# Altium PCB ISS_LAB_PCB.PcbDoc (part 1 of 8) (continued)
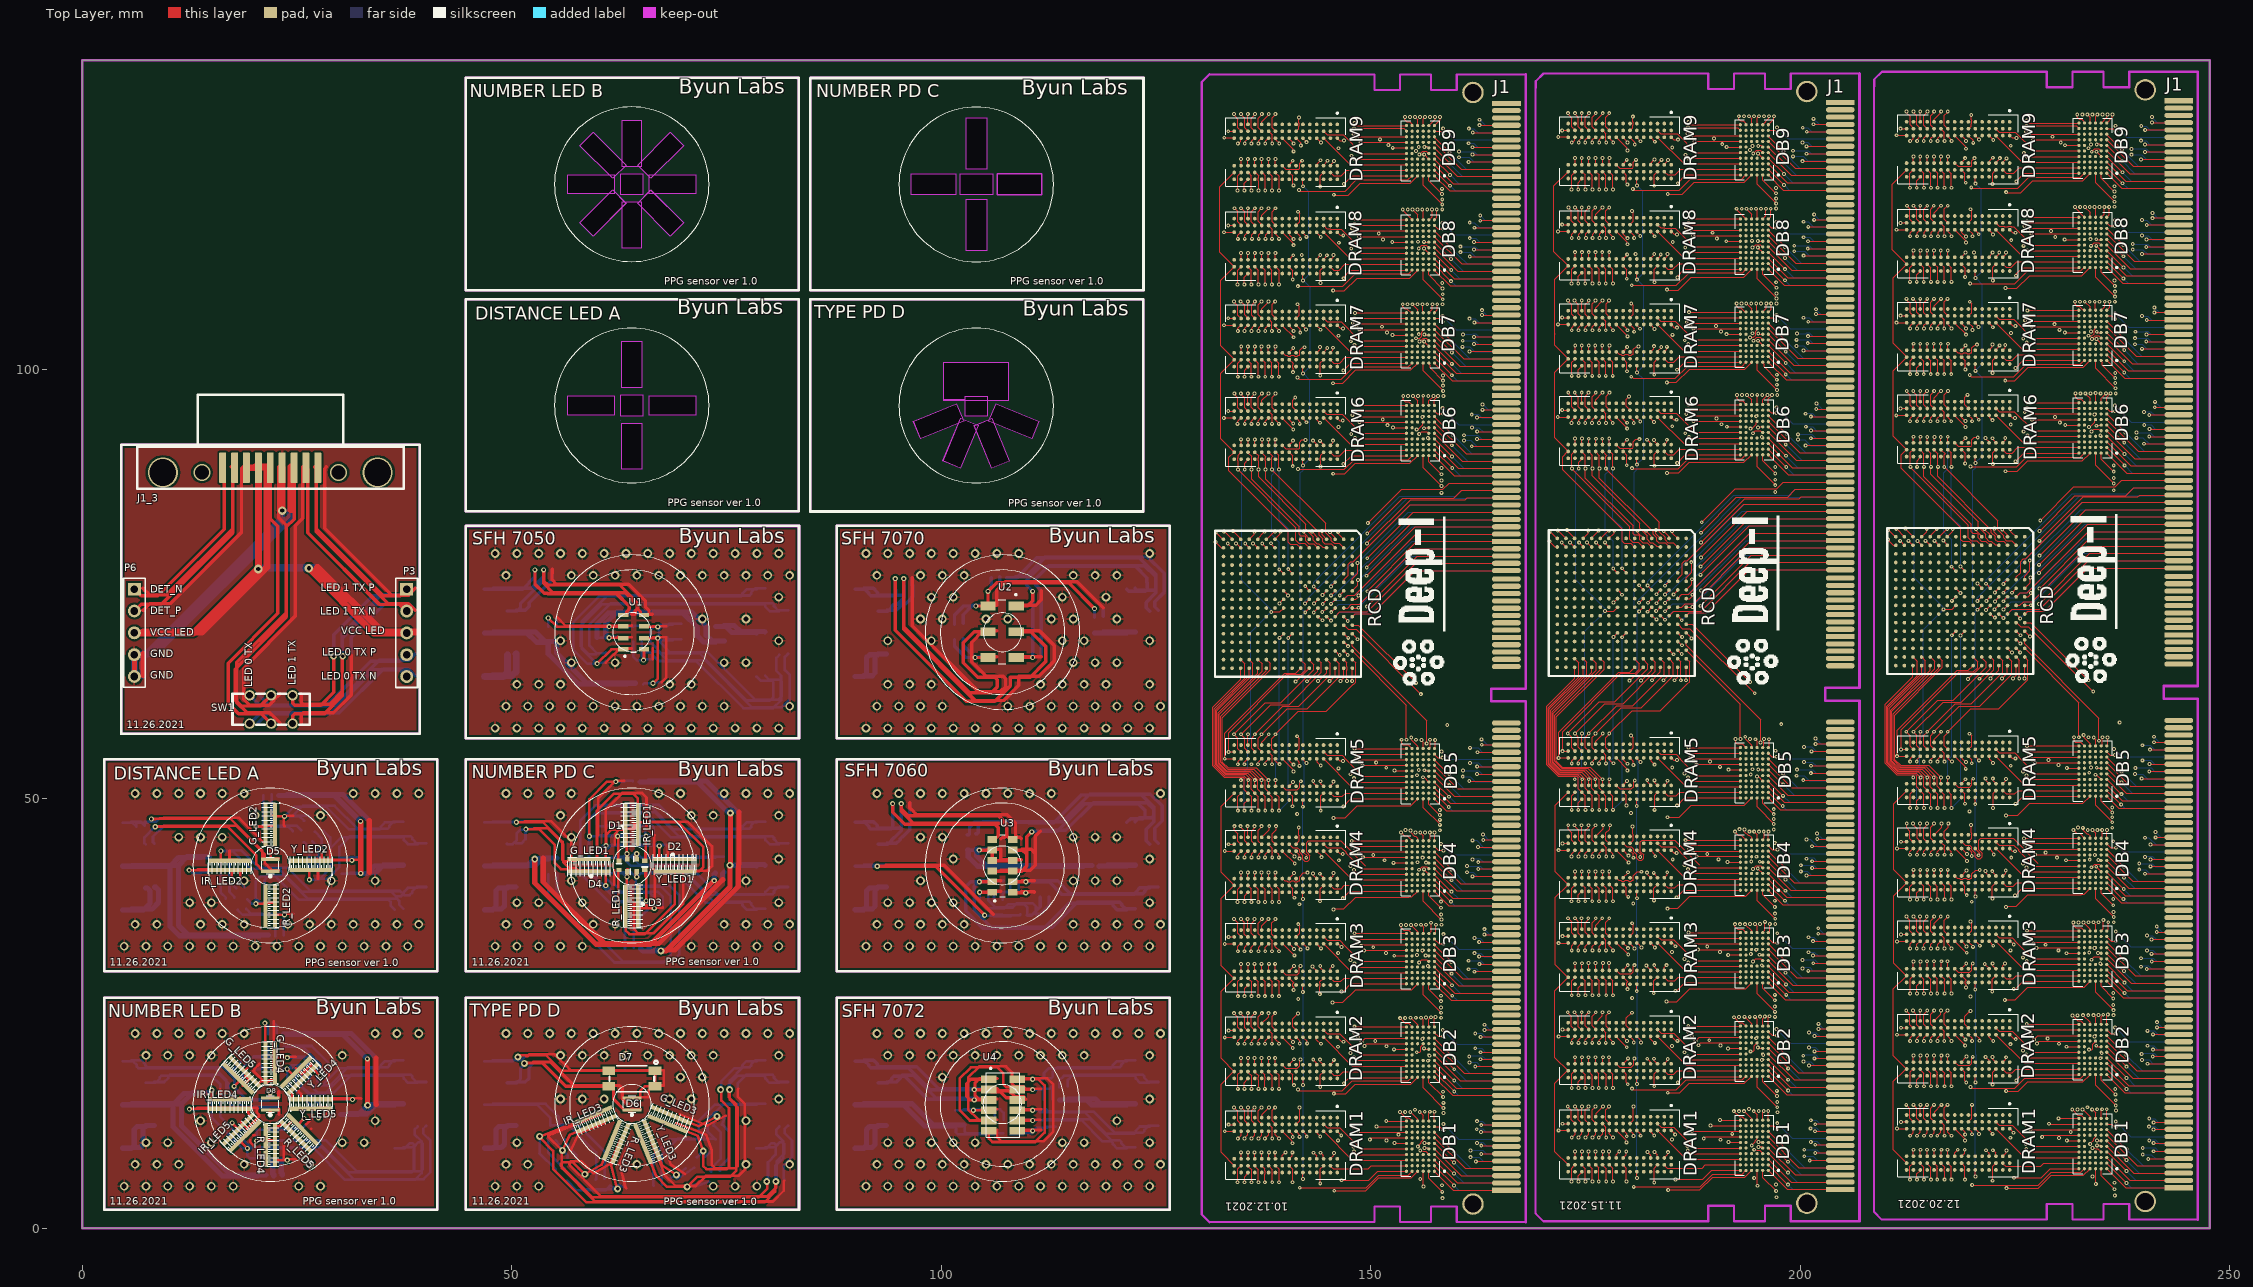
[diagram p0: Top Layer view]
## Footprints (in the part's own frame and the unit in brackets; to place one, negate y for a bottom-side part, rotate by r counter-clockwise, add the part's x,y. Pads: shape width x height; smd on the part's side, far side on the other; paste and mask are expansions set on the pad) (continued)
  silkscreen extent -1,-16 16,1, body extent -1.01,-16 15.99,1, height 1.7
DPDT_SSSS222700 [mm]
  round 1.2 hole 0.8 mask+0.07: 1(-2.5,1.65) 2(0,1.65) 3(2.5,1.65) 4(-2.5,-1.65) 5(0,-1.65) 6(2.5,-1.65)
  round 1 hole 0.8 mask+0.07: 1(-2.5,1.65) 1(-2.5,1.65)
  silkscreen extent -4.5,-1.78 4.5,1.83, body extent -4.5,-1.77 4.5,1.83, height 5.21
DRAM_96BGA [mm]
  round 0.43 smd: A1(-3.2,6) A2(-2.4,6) A3(-1.6,6) A7(1.6,6) A8(2.4,6) A9(3.2,6) B1(-3.2,5.2) B2(-2.4,5.2) B3(-1.6,5.2) B7(1.6,5.2) B8(2.4,5.2) B9(3.2,5.2) C1(-3.2,4.4) C2(-2.4,4.4) C3(-1.6,4.4) C7(1.6,4.4) C8(2.4,4.4) C9(3.2,4.4) D1(-3.2,3.6) D2(-2.4,3.6) D3(-1.6,3.6) D7(1.6,3.6) D8(2.4,3.6) D9(3.2,3.6) E1(-3.2,2.8) E2(-2.4,2.8) E3(-1.6,2.8) E7(1.6,2.8) E8(2.4,2.8) E9(3.2,2.8) F1(-3.2,2) F2(-2.4,2) F3(-1.6,2) F7(1.6,2) F8(2.4,2) F9(3.2,2) G1(-3.2,1.2) G2(-2.4,1.2) G3(-1.6,1.2) G7(1.6,1.2) G8(2.4,1.2) G9(3.2,1.2) H1(-3.2,0.4) H2(-2.4,0.4) H3(-1.6,0.4) H7(1.6,0.4) H8(2.4,0.4) H9(3.2,0.4) J1(-3.2,-0.4) J2(-2.4,-0.4) J3(-1.6,-0.4) J7(1.6,-0.4) J8(2.4,-0.4) J9(3.2,-0.4) K1(-3.2,-1.2) K2(-2.4,-1.2) K3(-1.6,-1.2) K7(1.6,-1.2) K8(2.4,-1.2) K9(3.2,-1.2) L1(-3.2,-2) L2(-2.4,-2) L3(-1.6,-2) L7(1.6,-2) L8(2.4,-2) L9(3.2,-2) M1(-3.2,-2.8) M2(-2.4,-2.8) M3(-1.6,-2.8) M7(1.6,-2.8) M8(2.4,-2.8) M9(3.2,-2.8) N1(-3.2,-3.6) N2(-2.4,-3.6) N3(-1.6,-3.6) N7(1.6,-3.6) N8(2.4,-3.6) N9(3.2,-3.6) P1(-3.2,-4.4) P2(-2.4,-4.4) P3(-1.6,-4.4) P7(1.6,-4.4) P8(2.4,-4.4) P9(3.2,-4.4) R1(-3.2,-5.2) R2(-2.4,-5.2) R3(-1.6,-5.2) R7(1.6,-5.2) R8(2.4,-5.2) R9(3.2,-5.2) T1(-3.2,-6) T2(-2.4,-6) T3(-1.6,-6) T7(1.6,-6) T8(2.4,-6) T9(3.2,-6)
  silkscreen extent -4.6,-7 4,7, body extent -4,-6.99 4,7.01, height 1.15
"Edge Connector" [mm]
  rect 0.6x3.35 smd: 1(0,0) 19(7.65,0) 39(16.15,0) 59(24.65,0) 79(33.15,0) 99(41.65,0) 119(50.15,0) 139(75.541,0) 159(84.041,0) 179(92.541,0) 199(101.041,0) 219(109.541,0) 239(118.041,0) 259(126.541,0) 269(64.365,0)
  rect 0.6x3.35 smd far side: 2(0,0) 20(7.65,0) 40(16.15,0) 60(24.65,0) 80(33.15,0) 100(41.65,0) 120(50.15,0) 140(75.541,0) 160(84.041,0) 180(92.541,0) 200(101.041,0) 220(109.541,0) 240(118.041,0) 260(126.541,0) 270(64.365,0)
  oval 0.6x3.35 smd: 3(0.85,0) 5(1.7,0) 7(2.55,0) 9(3.4,0) 11(4.25,0) 13(5.1,0) 15(5.95,0) 17(6.8,0) 21(8.5,0) 23(9.35,0) 31(12.75,0) 33(13.6,0) 35(14.45,0) 37(15.3,0) 41(17,0) 43(17.85,0) 45(18.7,0) 47(19.55,0) 49(20.4,0) 51(21.25,0) 53(22.1,0) 55(22.95,0) 57(23.8,0) 61(25.5,0) 63(26.35,0) 65(27.2,0) 67(28.05,0) 69(28.9,0) 71(29.75,0) 73(30.6,0) 75(31.45,0) 77(32.3,0) 81(34,0) 83(34.85,0) 85(35.7,0) 87(36.55,0) 89(37.4,0) 91(38.25,0) 93(39.1,0) 95(39.95,0) 97(40.8,0) 101(42.5,0) 103(43.35,0) 105(44.2,0) 107(45.05,0) 109(45.9,0) 111(46.75,0) 121(51,0) 123(51.85,0) 131(72.141,0) 133(72.991,0) 135(73.841,0) 137(74.691,0) 141(76.391,0) 143(77.241,0) 145(78.091,0) 147(78.941,0) 149(79.791,0) 151(80.641,0) 153(81.491,0) 155(82.341,0) 157(83.191,0) 161(84.891,0) 163(85.741,0) 165(86.591,0) 167(87.441,0) 169(88.291,0) 171(89.141,0) 173(89.991,0) 175(90.841,0) 177(91.691,0) 181(93.391,0) 183(94.241,0) 185(95.091,0) 187(95.941,0) 189(96.791,0) 191(97.641,0) 193(98.491,0) 195(99.341,0) 197(100.191,0) 201(101.891,0) 203(102.741,0) 205(103.591,0) 207(104.441,0) 209(105.291,0) 211(106.141,0) 213(106.991,0) 215(107.841,0) 217(108.691,0) 221(110.391,0) 223(111.241,0) 225(112.091,0) 227(112.941,0) 229(113.791,0) 231(114.641,0) 233(115.491,0) 235(116.341,0) 237(117.191,0) 241(118.891,0) 243(119.741,0) 245(120.591,0) 247(121.441,0) 249(122.291,0) 251(123.141,0) 253(123.991,0) 255(124.841,0) 257(125.691,0) 261(60.965,0) 263(61.815,0) 265(62.665,0) 267(63.515,0) 271(65.215,0) 273(66.065,0) 275(66.915,0) 277(67.765,0) 279(68.615,0) 281(69.465,0) 283(70.315,0) 285(71.165,0)
  oval 0.6x3.35 smd far side: 4(0.85,0) 6(1.7,0) 8(2.55,0) 10(3.4,0) 12(4.25,0) 14(5.1,0) 16(5.95,0) 18(6.8,0) 22(8.5,0) 24(9.35,0) 26(10.2,0) 28(11.05,0) 30(11.9,0) 32(12.75,0) 34(13.6,0) 36(14.45,0) 38(15.3,0) 42(17,0) 44(17.85,0) 46(18.7,0) 48(19.55,0) 50(20.4,0) 52(21.25,0) 54(22.1,0) 56(22.95,0) 58(23.8,0) 62(25.5,0) 64(26.35,0) 66(27.2,0) 68(28.05,0) 70(28.9,0) 72(29.75,0) 74(30.6,0) 76(31.45,0) 78(32.3,0) 82(34,0) 84(34.85,0) 86(35.7,0) 88(36.55,0) 90(37.4,0) 92(38.25,0) 94(39.1,0) 96(39.95,0) 98(40.8,0) 102(42.5,0) 104(43.35,0) 106(44.2,0) 108(45.05,0) 110(45.9,0) 112(46.75,0) 114(47.6,0) 116(48.45,0) 118(49.3,0) 122(51,0) 124(51.85,0) 126(52.7,0) 128(53.55,0) 130(54.4,0) 132(72.141,0) 134(72.991,0) 136(73.841,0) 138(74.691,0) 142(76.391,0) 144(77.241,0) 146(78.091,0) 148(78.941,0) 150(79.791,0) 152(80.641,0) 154(81.491,0) 156(82.341,0) 158(83.191,0) 162(84.891,0) 164(85.741,0) 166(86.591,0) 168(87.441,0) 170(88.291,0) 172(89.141,0) 174(89.991,0) 176(90.841,0) 178(91.691,0) 182(93.391,0) 184(94.241,0) 186(95.091,0) 188(95.941,0) 190(96.791,0) 192(97.641,0) 194(98.491,0) 196(99.341,0) 198(100.191,0) 202(101.891,0) 204(102.741,0) 206(103.591,0) 208(104.441,0) 210(105.291,0) 212(106.141,0) 214(106.991,0) 216(107.841,0) 218(108.691,0) 222(110.391,0) 224(111.241,0) 226(112.091,0) 228(112.941,0) 230(113.791,0) 232(114.641,0) 234(115.491,0) 236(116.341,0) 238(117.191,0) 242(118.891,0) 244(119.741,0) 246(120.591,0) 248(121.441,0) 250(122.291,0) 252(123.141,0) 254(123.991,0) 256(124.841,0) 258(125.691,0) 262(60.965,0) 264(61.815,0) 266(62.665,0) 268(63.515,0) 272(65.215,0) 274(66.065,0) 276(66.915,0) 278(67.765,0) 280(68.615,0) 282(69.465,0) 284(70.315,0) 286(71.165,0)
  oval 0.6x3.35 smd mask+0.102: 25(10.2,0) 27(11.05,0) 29(11.9,0) 113(47.6,0) 115(48.45,0) 117(49.3,0) 125(52.7,0)
  oval 0.6x3.35 smd paste+0 mask+0.102: 127(53.55,0)
  oval 0.6x3.35 smd paste+0: 129(54.4,0)
HDR1X5 [mm] "Connector; Header; 5 Position"
  rect 1.5x1.5 hole 0.9: 1(0,0)
  round 1.5 hole 0.9: 2(2.54,0) 3(5.08,0) 4(7.62,0) 5(10.16,0)
  silkscreen extent -1.27,-1.27 11.43,1.27
"HDR 5 POS 1 ROW" [mm]
  rrect10% 1.27x3.56 smd mask+0.07: 1(-5.08,1.335) 2(-2.54,-1.335) 3(0,1.335) 4(2.54,-1.335) 5(5.08,1.335)
  silkscreen extent -6.14,-2.34 6.15,2.34, body extent -6.15,-2.44 6.15,2.44, height 10.05
K202XHT-E9P-NJ_DB9_Male [mm]
  rrect10% 0.8x3.5 smd mask+0.07: 1(5.54,0) 2(2.77,0) 3(0,0) 4(-2.77,0) 5(-5.54,0) 6(4.155,0) 7(1.385,0) 8(-1.385,0) 9(-4.155,0)
  silkscreen extent -15.5,-2.45 15.55,8.5, body extent -15.55,-2.67 15.26,8.98, height 10.81
LED_APS5130PD7C-P22_KNB [mm]
  rect 1.5x1 smd paste+0 mask+0: 1(-2.692,-0.9) 2(2.692,-0.9) 3(-2.692,0.9) 4(2.692,0.9)
  silkscreen extent -3,-2.1 2.6,1.5
LED_PPG_DISTANCE_2 [mm]
  rrect10% 0.5x5 smd mask+0: 1(-0.55,0) 2(0.55,0)
  silkscreen extent -1,-2.5 1.14,2.54, body extent -0.5,1.95 0.5,2.55, height 0.2
OSRAM_Opto_Semiconductors_SFH_2704_MFG [mm]
  rect 2.2x0.4 smd paste-1000 mask+0: 1(0,0.7) 2(0,-0.7)
  silkscreen extent -1,-0.95 1,1.4, body extent -1,-0.9 1,0.9, height 0.6
PD_2704 [mm]
  rect 5x0.4 smd paste-1000 mask+0: 1(0,0.7) 2(0,-0.7)
  silkscreen extent -2.5,-0.95 2.5,1.4, body extent -0.75,-0.9 1.25,0.9, height 0.6
RES-SMD-0603 [mm]
  rect 0.6x0.9 smd: 1(-0.889,0) 2(0.927,0)
  silkscreen extent -1.4,-0.64 1.4,0.64, body extent -0.8,-0.4 0.8,0.4, height 0.43
RESC0402X15N [mm]
  rect 0.5x0.6 smd paste+0 mask+0: 1(-0.55,0) 2(0.55,0)
  silkscreen extent -0.2,-0.33 -0.2,0.33, body extent -0.5,-0.3 0.5,0.3, height 0.2
XDCR_SFH_7050 [mm]
  rect 0.5x1.2 smd paste-1 mask+0: 1(-2,1.2) 2(-0.69,1.2) 3(0.69,1.2) 4(2,1.2) 5(2,-1.2) 6(0.69,-1.2) 7(-0.69,-1.2) 8(-2,-1.2)
  silkscreen extent -2.89,-0.33 2.35,1.12, body extent -2.35,-1.25 2.35,1.25, height 1.01
XDCR_SFH_7060 [mm]
  rect 0.8x1.1 smd paste-1 mask+0: 1(-3.06,1.2) 2(-1.84,1.2) 3(-0.612,1.2) 4(0.612,1.2) 5(1.84,1.2) 6(3.06,1.2) 7(3.06,-1.2) 8(1.84,-1.2) 9(0.612,-1.2) 10(-0.612,-1.2) 11(-1.84,-1.2) 12(-3.06,-1.2)
  silkscreen extent -4.18,-0.33 3.6,1.01
XDCR_SFH_7070 [mm]
  rect 1x1.8 smd paste-1 mask+0: 1(-3,1.65) 2(0,1.65) 3(3,1.65) 4(3,-1.65) 5(0,-1.65) 6(-3,-1.65)
  silkscreen extent -4.42,-0.43 3.75,1.7, body extent -3.75,-1.95 3.75,1.95, height 0.95
XDCR_SFH_7072 [mm]
  rect 0.9x1.8 smd paste-1 mask+0: 1(-3,-1.65) 2(-1.8,-1.65) 3(-0.6,-1.65) 4(0.6,-1.65) 5(1.8,-1.65) 6(3,-1.65) 7(3,1.65) 8(1.8,1.65) 9(0.6,1.65) 10(-0.6,1.65) 11(-1.8,1.65) 12(-3,1.65)
  silkscreen extent -4.37,-1.95 3.76,1.95, body extent -3.75,-1.95 3.75,1.95, height 0.9

## Part data
C_R1 H_R1 H_R2 H_R3 H_R4 H_R5 H_R6 H_R7 H_R8 H_R9 H_R10 H_R11 H_R12 H_R13 H_R14 H_R15 H_R16 H_R17 H_R18 H_R19 H_R20 H_R21 H_R22 H_R23 H_R24 H_R25 H_R26 P_R1 P_R2 P_R3 P_R4 P_R5 P_R6 P_R7 P_R8 P_R9 P_R10 P_R11 P_R12 P_R13 P_R14 P_R15 P_R16 P_R17 P_R18 P_R19 P_R20 P_R21 P_R22 P_R23 P_R24 P_R25 P_R26: "Resistor", LatestRevisionDate=17-Jul-2002, LatestRevisionNote="Re-released for DXP Platform.", PackageDescription="Axial Device, Thru-Hole; 2 Leads; 0.3 in Pin Spacing", PackageReference=AXIAL-0.3, Published=8-Jun-2000, Publisher="Altium Limited"
D1 D2 D3 D4: "Photosensitive Diode", LatestRevisionDate=17-Jul-2002, LatestRevisionNote="Re-released for DXP Platform.", PackageReference=PIN2, Published=24-Mar-1999, Publisher="Altium Limited"
D7: "No Description Available", Mfr_Name=Kingbright, Copyright="Copyright (C) 2021 Ultra Librarian. All rights reserved.", Digi-Key_Part_Number_1=754-2215-2-ND, Digi-Key_Part_Number_2=754-2215-1-ND, Digi-Key_Part_Number_3=754-2215-6-ND, Manufacturer_Part_Number=APS5130PD7C-P22, RefDes=RefDes, Type=DEV
G_LED1 G_LED2 G_LED3 G_LED4 G_LED5 IR_LED1 IR_LED2 IR_LED3 IR_LED4 IR_LED5 R_LED1 R_LED2 R_LED3 R_LED4 R_LED5 Y_LED1 Y_LED2 Y_LED3 Y_LED4 Y_LED5: library part "LED SMD"
J1_3: library part "CON 9 Male", "Connector, DB9 R/A Through-hole Male", Max Current=3A, Category=Connector, Connector type=Header, Mounting Technology=Through-Hole, Pin Count=9, Status=Unreleased
P1 P2 P3 P4 P5 P6 P7 P8 P9 P10 P11 P12 P13 P14 P15 P16 P17 P18: "Header, 5-Pin", LatestRevisionDate=17-Jul-2002, LatestRevisionNote="Re-released for DXP Platform.", Publisher="Altium Limited"
U1: "Salida de voltaje del sensor de oxA々metro / frecuencia cardA々aca", Package=None, Digi-Key_Part_Number=475-3346-1-ND, Digi-Key_Purchase_URL=https://www.digikey.com/product-detail/en/osram-opto-semiconductors-inc/SFH-7050/475-3346-1-ND/7645273?utm_source=snapeda&utm_medium=aggregator&utm_campaign=symbol, MF="OSRAM Opto", MP="SFH 7050", SnapEDA_Link=https://www.snapeda.com/parts/SFH%207050/OSRAM%20Opto%20Semiconductors%20Inc./view-part/227176/?ref=snap
U2 U4: "Reflective Optical Sensor 6-SMD, No Lead", Package="SMD-6 Osram Opto", Availability=Unavailable, MF="OSRAM Opto", Price=None
  U2: MP="SFH 7070", SnapEDA_Link=https://www.snapeda.com/parts/SFH%207070/OSRAM%20Opto%20Semiconductors%20Inc./view-part/1043339/?ref=snap
  U4: MP="SFH 7072", SnapEDA_Link=https://www.snapeda.com/parts/SFH%207072/OSRAM%20Opto%20Semiconductors%20Inc./view-part/2464223/?ref=snap
U3: "Oximeter/Heart Rate Sensor Current Output", Package=None, Availability=Unavailable, MF="OSRAM Opto", MP="SFH 7060", Price=None, SnapEDA_Link=https://www.snapeda.com/parts/SFH%207060/OSRAM%20Opto%20Semiconductors%20Inc./view-part/448279/?ref=snap

## Free pads (board coordinates)
  round 2.5 hole 2 mask+0.07: 1(161.902,2.8) 1(161.902,132.213) 1(200.775,2.9) 1(200.775,132.313) 1(240.175,3.1) 1(240.175,132.513)

## Via types
v1: diameter 0.45, hole 0.203, Top Layer to Bottom Layer, 2685 vias
v2: diameter 1, hole 0.6, Top Layer to Bottom Layer, tented both sides, 414 vias
v3: diameter 0.6, hole 0.3, Top Layer to Bottom Layer, 52 vias
v4: diameter 0.6, hole 0.3, Top Layer to Bottom Layer, tented top, 33 vias
v5: diameter 0.8, hole 0.4, Top Layer to Bottom Layer, 21 vias
v6: diameter 3.5, hole 3.1, Top Layer to Bottom Layer, 3 vias
v7: diameter 2, hole 1.6, Top Layer to Bottom Layer, 3 vias
v8: diameter 1, hole 0.5, Top Layer to Bottom Layer, 3 vias

## Nets (pads, with @x,y where several pads share a name; then routed paths per layer and width w, separated by ;. In a path a pad name is that pad's centre, name@x,y a point inside that pad or via, vN(x,y) a via of type N, cw(c..) or ccw(c..) an arc to the next point about the centre after c; other vN are vias at no path point)
pads on no net: C_R1.1 C_R1.2 D1.1 D1.2 D2.1 D2.2 D3.1 D3.2 D4.1 D4.2 D5.1 D5.2 D6.1 D6.2 D7.1 D7.2 D7.3 D7.4 D8.1 D8.2 DB1.A1 DB1.A2 DB1.A3 DB1.A4 DB1.A5 DB1.A6 DB1.B1 DB1.B2 DB1.B3 DB1.B4 DB1.B5 DB1.B6 DB1.C1 DB1.C2 DB1.C3 DB1.C4 DB1.C5 DB1.C6 DB1.D1 DB1.D2 DB1.D3 DB1.D4 DB1.D5 DB1.D6 DB1.E1 DB1.E2 DB1.E5 DB1.E6 DB1.F1 DB1.F2 DB1.F5 DB1.F6 DB1.G1 DB1.G2 DB1.G3 DB1.G4 DB1.G5 DB1.G6 DB1.H1 DB1.H2 DB1.H3 DB1.H4 DB1.H5 DB1.H6 DB1.J1 DB1.J2 DB1.J3 DB1.J4 DB1.J5 DB1.J6 DB1.K1 DB1.K2 DB1.K3 DB1.K4 DB1.K5 DB1.K6 DB2.A1 DB2.A2 DB2.A3 DB2.A4 DB2.A5 DB2.A6 DB2.B1 DB2.B2 DB2.B3 DB2.B4 DB2.B5 DB2.B6 DB2.C1 DB2.C2 DB2.C3 DB2.C4 DB2.C5 DB2.C6 DB2.D1 DB2.D2 DB2.D3 DB2.D4 DB2.D5 DB2.D6 DB2.E1 DB2.E2 DB2.E5 DB2.E6 DB2.F1 DB2.F2 DB2.F5 DB2.F6 DB2.G1 DB2.G2 DB2.G3 DB2.G4 DB2.G5 DB2.G6 DB2.H1 DB2.H2 DB2.H3 DB2.H4 DB2.H5 DB2.H6 DB2.J1 DB2.J2 DB2.J3 DB2.J4 DB2.J5 DB2.J6 DB2.K1 DB2.K2 DB2.K3 DB2.K4 DB2.K5 DB2.K6 DB3.A1 DB3.A2 DB3.A3 DB3.A4 DB3.A5 DB3.A6 DB3.B1 DB3.B2 DB3.B3 DB3.B4 DB3.B5 DB3.B6 DB3.C1 DB3.C2 DB3.C3 DB3.C4 DB3.C5 DB3.C6 DB3.D1 DB3.D2 DB3.D3 DB3.D4 DB3.D5 DB3.D6 DB3.E1 DB3.E2 DB3.E5 DB3.E6 DB3.F1 DB3.F2 DB3.F5 DB3.F6 DB3.G1 DB3.G2 DB3.G3 DB3.G4 DB3.G5 DB3.G6 DB3.H1 DB3.H2 DB3.H3 DB3.H4 DB3.H5 DB3.H6 DB3.J1 DB3.J2 DB3.J3 DB3.J4 DB3.J5 DB3.J6 DB3.K1 DB3.K2 DB3.K3 DB3.K4 DB3.K5 DB3.K6 DB4.A1 DB4.A2 DB4.A3 DB4.A4 DB4.A5 DB4.A6 DB4.B1 DB4.B2 DB4.B3 DB4.B4 DB4.B5 DB4.B6 DB4.C1 DB4.C2 DB4.C3 DB4.C4 DB4.C5 DB4.C6 DB4.D1 DB4.D2 DB4.D3 DB4.D4 DB4.D5 DB4.D6 DB4.E1 DB4.E2 DB4.E5 DB4.E6 DB4.F1 DB4.F2 DB4.F5 DB4.F6 DB4.G1 DB4.G2 DB4.G3 DB4.G4 DB4.G5 DB4.G6 DB4.H1 DB4.H2 DB4.H3 DB4.H4 DB4.H5 DB4.H6 DB4.J1 DB4.J2 DB4.J3 DB4.J4 DB4.J5 DB4.J6 DB4.K1 DB4.K2 DB4.K3 DB4.K4 DB4.K5 DB4.K6 DB5.A1 DB5.A2 DB5.A3 DB5.A4 DB5.A5 DB5.A6 DB5.B1 DB5.B2 DB5.B3 DB5.B4 DB5.B5 DB5.B6 DB5.C1 DB5.C2 DB5.C3 DB5.C4 DB5.C5 DB5.C6 DB5.D1 DB5.D2 DB5.D3 DB5.D4 DB5.D5 DB5.D6 DB5.E1 DB5.E2 DB5.E5 DB5.E6 DB5.F1 DB5.F2 DB5.F5 DB5.F6 DB5.G1 DB5.G2 DB5.G3 DB5.G4 DB5.G5 DB5.G6 DB5.H1 DB5.H2 DB5.H3 DB5.H4 DB5.H5 DB5.H6 DB5.J1 DB5.J2 DB5.J3 DB5.J4 DB5.J5 DB5.J6 DB5.K1 DB5.K2 DB5.K3 DB5.K4 DB5.K5 DB5.K6 DB6.A1 DB6.A2 DB6.A3 DB6.A4 DB6.A5 DB6.A6 DB6.B1 DB6.B2 DB6.B3 DB6.B4 DB6.B5 DB6.B6 DB6.C1 DB6.C2 DB6.C3 DB6.C4 DB6.C5 DB6.C6 DB6.D1 DB6.D2 DB6.D3 DB6.D4 DB6.D5 DB6.D6 DB6.E1 DB6.E2 DB6.E5 DB6.E6 DB6.F1 DB6.F2 DB6.F5 DB6.F6 DB6.G1 DB6.G2 DB6.G3 DB6.G4 DB6.G5 DB6.G6 DB6.H1 DB6.H2 DB6.H3 DB6.H4 DB6.H5 DB6.H6 DB6.J1 DB6.J2 DB6.J3 DB6.J4 DB6.J5 DB6.J6 DB6.K1 DB6.K2 DB6.K3 DB6.K4 DB6.K5 DB6.K6 DB7.A1 DB7.A2 DB7.A3 DB7.A4 DB7.A5 DB7.A6 DB7.B1 DB7.B2 DB7.B3 DB7.B4 DB7.B5 DB7.B6 DB7.C1 DB7.C2 DB7.C3 DB7.C4 DB7.C5 DB7.C6 DB7.D1 DB7.D2 DB7.D3 DB7.D4 DB7.D5 DB7.D6 DB7.E1 DB7.E2 DB7.E5 DB7.E6 DB7.F1 DB7.F2 DB7.F5 DB7.F6 DB7.G1 DB7.G2 DB7.G3 DB7.G4 DB7.G5 DB7.G6 DB7.H1 DB7.H2 DB7.H3 DB7.H4 DB7.H5 DB7.H6 DB7.J1 DB7.J2 DB7.J3 DB7.J4 DB7.J5 DB7.J6 DB7.K1 DB7.K2 DB7.K3 DB7.K4 DB7.K5 DB7.K6 DB8.A1 DB8.A2 DB8.A3 DB8.A4 DB8.A5 DB8.A6 DB8.B1 DB8.B2 DB8.B3 DB8.B4 DB8.B5 DB8.B6 DB8.C1 DB8.C2 DB8.C3 DB8.C4 DB8.C5 DB8.C6 DB8.D1 DB8.D2 DB8.D3 DB8.D4 DB8.D5 DB8.D6 DB8.E1 DB8.E2 DB8.E5 DB8.E6 DB8.F1 DB8.F2 DB8.F5 DB8.F6 DB8.G1 DB8.G2 DB8.G3 DB8.G4 DB8.G5 DB8.G6 DB8.H1 DB8.H2 DB8.H3 DB8.H4 DB8.H5 DB8.H6 DB8.J1 DB8.J2 DB8.J3 DB8.J4 DB8.J5 DB8.J6 DB8.K1 DB8.K2 DB8.K3 DB8.K4 DB8.K5 DB8.K6 DB9.A1 DB9.A2 DB9.A3 DB9.A4 DB9.A5 DB9.A6 DB9.B1 DB9.B2 DB9.B3 DB9.B4 DB9.B5 DB9.B6 DB9.C1 DB9.C2 DB9.C3 DB9.C4 DB9.C5 DB9.C6 DB9.D1 DB9.D2 DB9.D3 DB9.D4 DB9.D5 DB9.D6 DB9.E1 DB9.E2 DB9.E5 DB9.E6 DB9.F1 DB9.F2 DB9.F5 DB9.F6 DB9.G1 DB9.G2 DB9.G3 DB9.G4 DB9.G5 DB9.G6 DB9.H1 DB9.H2 DB9.H3 DB9.H4 DB9.H5 DB9.H6 DB9.J1 DB9.J2 DB9.J3 DB9.J4 DB9.J5 DB9.J6 DB9.K1 DB9.K2 DB9.K3 DB9.K4 DB9.K5 DB9.K6 DRAM1.A1 DRAM1.A2 DRAM1.A3 DRAM1.A7 DRAM1.A8 DRAM1.A9 DRAM1.B1 DRAM1.B2 DRAM1.B3 DRAM1.B7 DRAM1.B8 DRAM1.B9 DRAM1.C1 DRAM1.C2 DRAM1.C3 DRAM1.C7 DRAM1.C8 DRAM1.C9 DRAM1.D1 DRAM1.D2 DRAM1.D3 DRAM1.D7 DRAM1.D8 DRAM1.D9 DRAM1.E1 DRAM1.E2 DRAM1.E3 DRAM1.E7 DRAM1.E8 DRAM1.E9 DRAM1.F1 DRAM1.F2 DRAM1.F3 DRAM1.F7 DRAM1.F8 DRAM1.F9 DRAM1.G1 DRAM1.G2 DRAM1.G3 DRAM1.G7 DRAM1.G8 DRAM1.G9 DRAM1.H1 DRAM1.H2 DRAM1.H3 DRAM1.H7 DRAM1.H8 DRAM1.H9 DRAM1.J1 DRAM1.J2 DRAM1.J3 DRAM1.J7 DRAM1.J8 DRAM1.J9 DRAM1.K1 DRAM1.K2 DRAM1.K3 DRAM1.K7 DRAM1.K8 DRAM1.K9 DRAM1.L1 DRAM1.L2 DRAM1.L3 DRAM1.L7 DRAM1.L8 DRAM1.L9 DRAM1.M1 DRAM1.M2 DRAM1.M3 DRAM1.M7 DRAM1.M8 DRAM1.M9 DRAM1.N1 DRAM1.N2 DRAM1.N3 DRAM1.N7 DRAM1.N8 DRAM1.N9 DRAM1.P1 DRAM1.P2 DRAM1.P3 DRAM1.P7 DRAM1.P8 DRAM1.P9 DRAM1.R1 DRAM1.R2 DRAM1.R3 DRAM1.R7 DRAM1.R8 DRAM1.R9 DRAM1.T1 DRAM1.T2 DRAM1.T3 DRAM1.T7 DRAM1.T8 DRAM1.T9 DRAM2.A1 DRAM2.A2 DRAM2.A3 DRAM2.A7 DRAM2.A8 DRAM2.A9 DRAM2.B1 DRAM2.B2 DRAM2.B3 DRAM2.B7 DRAM2.B8 DRAM2.B9 DRAM2.C1 DRAM2.C2 DRAM2.C3 DRAM2.C7 DRAM2.C8 DRAM2.C9 DRAM2.D1 DRAM2.D2 DRAM2.D3 DRAM2.D7 DRAM2.D8 DRAM2.D9 DRAM2.E1 DRAM2.E2 DRAM2.E3 DRAM2.E7 DRAM2.E8 DRAM2.E9 DRAM2.F1 DRAM2.F2 DRAM2.F3 DRAM2.F7 DRAM2.F8 DRAM2.F9 DRAM2.G1 DRAM2.G2 DRAM2.G3 DRAM2.G7 DRAM2.G8 DRAM2.G9 DRAM2.H1 DRAM2.H2 DRAM2.H3 DRAM2.H7 DRAM2.H8 DRAM2.H9 DRAM2.J1 DRAM2.J2 DRAM2.J3 DRAM2.J7 DRAM2.J8 DRAM2.J9 DRAM2.K1 DRAM2.K2 DRAM2.K3 DRAM2.K7 DRAM2.K8 DRAM2.K9 DRAM2.L1 DRAM2.L2 DRAM2.L3 DRAM2.L7 DRAM2.L8 DRAM2.L9 DRAM2.M1 DRAM2.M2 DRAM2.M3 DRAM2.M7 DRAM2.M8 DRAM2.M9 DRAM2.N1 DRAM2.N2 DRAM2.N3 DRAM2.N7 DRAM2.N8 DRAM2.N9 DRAM2.P1 DRAM2.P2 DRAM2.P3 DRAM2.P7 DRAM2.P8 DRAM2.P9 DRAM2.R1 DRAM2.R2 DRAM2.R3 DRAM2.R7 DRAM2.R8 DRAM2.R9 DRAM2.T1 DRAM2.T2 DRAM2.T3 DRAM2.T7 DRAM2.T8 DRAM2.T9 DRAM3.A1 DRAM3.A2 DRAM3.A3 DRAM3.A7 DRAM3.A8 DRAM3.A9 DRAM3.B1 DRAM3.B2 DRAM3.B3 DRAM3.B7 DRAM3.B8 DRAM3.B9 DRAM3.C1 DRAM3.C2 DRAM3.C3 DRAM3.C7 DRAM3.C8 DRAM3.C9 DRAM3.D1 DRAM3.D2 DRAM3.D3 DRAM3.D7 DRAM3.D8 DRAM3.D9 DRAM3.E1 DRAM3.E2 DRAM3.E3 DRAM3.E7 DRAM3.E8 DRAM3.E9 DRAM3.F1 DRAM3.F2 DRAM3.F3 DRAM3.F7 DRAM3.F8 DRAM3.F9 DRAM3.G1 DRAM3.G2 DRAM3.G3 DRAM3.G7 DRAM3.G8 DRAM3.G9 DRAM3.H1 DRAM3.H2 DRAM3.H3 DRAM3.H7 DRAM3.H8 DRAM3.H9 DRAM3.J1 DRAM3.J2 DRAM3.J3 DRAM3.J7 DRAM3.J8 DRAM3.J9 DRAM3.K1 DRAM3.K2 DRAM3.K3 DRAM3.K7 DRAM3.K8 DRAM3.K9 DRAM3.L1 DRAM3.L2 DRAM3.L3 DRAM3.L7 DRAM3.L8 DRAM3.L9 DRAM3.M1 DRAM3.M2 DRAM3.M3 DRAM3.M7 DRAM3.M8 DRAM3.M9 DRAM3.N1 DRAM3.N2 DRAM3.N3 DRAM3.N7 DRAM3.N8 DRAM3.N9 DRAM3.P1 DRAM3.P2 DRAM3.P3 DRAM3.P7 DRAM3.P8 DRAM3.P9 DRAM3.R1 DRAM3.R2 DRAM3.R3 DRAM3.R7 DRAM3.R8 DRAM3.R9 DRAM3.T1 DRAM3.T2 DRAM3.T3 DRAM3.T7 DRAM3.T8 DRAM3.T9 DRAM4.A1 DRAM4.A2 DRAM4.A3 DRAM4.A7 DRAM4.A8 DRAM4.A9 DRAM4.B1 DRAM4.B2 DRAM4.B3 DRAM4.B7 DRAM4.B8 DRAM4.B9 DRAM4.C1 DRAM4.C2 DRAM4.C3 DRAM4.C7 DRAM4.C8 DRAM4.C9 DRAM4.D1 DRAM4.D2 DRAM4.D3 DRAM4.D7 DRAM4.D8 DRAM4.D9 DRAM4.E1 DRAM4.E2 DRAM4.E3 DRAM4.E7 DRAM4.E8 DRAM4.E9 DRAM4.F1 DRAM4.F2 DRAM4.F3 DRAM4.F7 DRAM4.F8 DRAM4.F9 DRAM4.G1 DRAM4.G2 DRAM4.G3 DRAM4.G7 DRAM4.G8 DRAM4.G9 DRAM4.H1 DRAM4.H2 DRAM4.H3 DRAM4.H7 DRAM4.H8 DRAM4.H9 DRAM4.J1 DRAM4.J2 DRAM4.J3 DRAM4.J7 DRAM4.J8 DRAM4.J9 DRAM4.K1 DRAM4.K2 DRAM4.K3 DRAM4.K7 DRAM4.K8 DRAM4.K9 DRAM4.L1 DRAM4.L2 DRAM4.L3 DRAM4.L7 DRAM4.L8 DRAM4.L9 DRAM4.M1 DRAM4.M2 DRAM4.M3 DRAM4.M7 DRAM4.M8 DRAM4.M9 DRAM4.N1 DRAM4.N2 DRAM4.N3 DRAM4.N7 DRAM4.N8 DRAM4.N9 DRAM4.P1 DRAM4.P2 DRAM4.P3 DRAM4.P7 DRAM4.P8 DRAM4.P9 DRAM4.R1 DRAM4.R2 DRAM4.R3 DRAM4.R7 DRAM4.R8 DRAM4.R9 DRAM4.T1 DRAM4.T2 DRAM4.T3 DRAM4.T7 DRAM4.T8 DRAM4.T9 DRAM5.A1 DRAM5.A2 DRAM5.A3 DRAM5.A7 DRAM5.A8 DRAM5.A9 DRAM5.B1 DRAM5.B2 DRAM5.B3 DRAM5.B7 DRAM5.B8 DRAM5.B9 DRAM5.C1 DRAM5.C2 DRAM5.C3 DRAM5.C7 DRAM5.C8 DRAM5.C9 DRAM5.D1 DRAM5.D2 DRAM5.D3 DRAM5.D7 DRAM5.D8 DRAM5.D9 DRAM5.E1 DRAM5.E2 DRAM5.E3 DRAM5.E7 DRAM5.E8 DRAM5.E9 DRAM5.F1 DRAM5.F2 DRAM5.F3 DRAM5.F7 DRAM5.F8 DRAM5.F9 DRAM5.G1 DRAM5.G2 DRAM5.G3 DRAM5.G7 DRAM5.G8 DRAM5.G9 DRAM5.H1 DRAM5.H2 DRAM5.H3 DRAM5.H7 DRAM5.H8 DRAM5.H9 DRAM5.J1 DRAM5.J2 DRAM5.J3 DRAM5.J7 DRAM5.J8 DRAM5.J9 DRAM5.K1 DRAM5.K2 DRAM5.K3 DRAM5.K7 DRAM5.K8 DRAM5.K9 DRAM5.L1 DRAM5.L2 DRAM5.L3 DRAM5.L7 DRAM5.L8 DRAM5.L9 DRAM5.M1 DRAM5.M2 DRAM5.M3 DRAM5.M7 DRAM5.M8 DRAM5.M9 DRAM5.N1 DRAM5.N2 DRAM5.N3 DRAM5.N7 DRAM5.N8 DRAM5.N9 DRAM5.P1 DRAM5.P2 DRAM5.P3 DRAM5.P7 DRAM5.P8 DRAM5.P9 DRAM5.R1 DRAM5.R2 DRAM5.R3 DRAM5.R7 DRAM5.R8 DRAM5.R9 DRAM5.T1 DRAM5.T2 DRAM5.T3 DRAM5.T7 DRAM5.T8 DRAM5.T9 DRAM6.A1 DRAM6.A2 DRAM6.A3 DRAM6.A7 DRAM6.A8 DRAM6.A9 DRAM6.B1 DRAM6.B2 DRAM6.B3 DRAM6.B7 DRAM6.B8 DRAM6.B9 DRAM6.C1 DRAM6.C2 DRAM6.C3 DRAM6.C7 DRAM6.C8 DRAM6.C9 DRAM6.D1 DRAM6.D2 DRAM6.D3 DRAM6.D7 DRAM6.D8 DRAM6.D9 DRAM6.E1 DRAM6.E2 DRAM6.E3 DRAM6.E7 DRAM6.E8 DRAM6.E9 DRAM6.F1 DRAM6.F2 DRAM6.F3 DRAM6.F7 DRAM6.F8 DRAM6.F9 DRAM6.G1 DRAM6.G2 DRAM6.G3 DRAM6.G7 DRAM6.G8 DRAM6.G9 DRAM6.H1 DRAM6.H2 DRAM6.H3 DRAM6.H7 DRAM6.H8 DRAM6.H9 DRAM6.J1 DRAM6.J2 DRAM6.J3 DRAM6.J7 DRAM6.J8 DRAM6.J9 DRAM6.K1 DRAM6.K2 DRAM6.K3 DRAM6.K7 DRAM6.K8 DRAM6.K9 DRAM6.L1 DRAM6.L2 DRAM6.L3 DRAM6.L7 DRAM6.L8 DRAM6.L9 DRAM6.M1 DRAM6.M2 DRAM6.M3 DRAM6.M7 DRAM6.M8 DRAM6.M9 DRAM6.N1 DRAM6.N2 DRAM6.N3 DRAM6.N7 DRAM6.N8 DRAM6.N9 DRAM6.P1 DRAM6.P2 DRAM6.P3 DRAM6.P7 DRAM6.P8 DRAM6.P9 DRAM6.R1 DRAM6.R2 DRAM6.R3 DRAM6.R7 DRAM6.R8 DRAM6.R9 DRAM6.T1 DRAM6.T2 DRAM6.T3 DRAM6.T7 DRAM6.T8 DRAM6.T9 DRAM7.A1 DRAM7.A2 DRAM7.A3 DRAM7.A7 DRAM7.A8 DRAM7.A9 DRAM7.B1 DRAM7.B2 DRAM7.B3 DRAM7.B7 DRAM7.B8 DRAM7.B9 DRAM7.C1 DRAM7.C2 DRAM7.C3 DRAM7.C7 DRAM7.C8 DRAM7.C9 DRAM7.D1 DRAM7.D2 DRAM7.D3 DRAM7.D7 DRAM7.D8 DRAM7.D9 DRAM7.E1 DRAM7.E2 DRAM7.E3 DRAM7.E7 DRAM7.E8 DRAM7.E9 DRAM7.F1 DRAM7.F2 DRAM7.F3 DRAM7.F7 DRAM7.F8 DRAM7.F9 DRAM7.G1 DRAM7.G2 DRAM7.G3 DRAM7.G7 DRAM7.G8 DRAM7.G9 DRAM7.H1 DRAM7.H2 DRAM7.H3 DRAM7.H7 DRAM7.H8 DRAM7.H9 DRAM7.J1 DRAM7.J2 DRAM7.J3 DRAM7.J7 DRAM7.J8 DRAM7.J9 DRAM7.K1 DRAM7.K2 DRAM7.K3 DRAM7.K7 DRAM7.K8 DRAM7.K9 DRAM7.L1 DRAM7.L2 DRAM7.L3 DRAM7.L7 DRAM7.L8 DRAM7.L9 DRAM7.M1 DRAM7.M2 DRAM7.M3 DRAM7.M7 DRAM7.M8 DRAM7.M9 DRAM7.N1 DRAM7.N2 DRAM7.N3 DRAM7.N7 DRAM7.N8 DRAM7.N9 DRAM7.P1 DRAM7.P2 DRAM7.P3 DRAM7.P7 DRAM7.P8 DRAM7.P9 DRAM7.R1 DRAM7.R2 DRAM7.R3 DRAM7.R7 DRAM7.R8 DRAM7.R9 DRAM7.T1 DRAM7.T2 DRAM7.T3 DRAM7.T7 DRAM7.T8 DRAM7.T9 DRAM8.A1 DRAM8.A2 DRAM8.A3 DRAM8.A7 DRAM8.A8 DRAM8.A9 DRAM8.B1 DRAM8.B2 DRAM8.B3 DRAM8.B7 DRAM8.B8 DRAM8.B9 DRAM8.C1 DRAM8.C2 DRAM8.C3 DRAM8.C7 DRAM8.C8 DRAM8.C9 DRAM8.D1 DRAM8.D2 DRAM8.D3 DRAM8.D7 DRAM8.D8 DRAM8.D9 DRAM8.E1 DRAM8.E2 DRAM8.E3 DRAM8.E7 DRAM8.E8 DRAM8.E9 DRAM8.F1 DRAM8.F2 DRAM8.F3 DRAM8.F7 DRAM8.F8 DRAM8.F9 DRAM8.G1 DRAM8.G2 DRAM8.G3 DRAM8.G7 DRAM8.G8 DRAM8.G9 DRAM8.H1 DRAM8.H2 DRAM8.H3 DRAM8.H7 DRAM8.H8 DRAM8.H9 DRAM8.J1 DRAM8.J2 DRAM8.J3 DRAM8.J7 DRAM8.J8 DRAM8.J9 DRAM8.K1 DRAM8.K2 DRAM8.K3 DRAM8.K7 DRAM8.K8 DRAM8.K9 DRAM8.L1 DRAM8.L2 DRAM8.L3 DRAM8.L7 DRAM8.L8 DRAM8.L9 DRAM8.M1 DRAM8.M2 DRAM8.M3 DRAM8.M7 DRAM8.M8 DRAM8.M9 DRAM8.N1 DRAM8.N2 DRAM8.N3 DRAM8.N7 DRAM8.N8 DRAM8.N9 DRAM8.P1 DRAM8.P2 DRAM8.P3 DRAM8.P7 DRAM8.P8 DRAM8.P9 DRAM8.R1 DRAM8.R2 DRAM8.R3 DRAM8.R7 DRAM8.R8 DRAM8.R9 DRAM8.T1 DRAM8.T2 DRAM8.T3 DRAM8.T7 DRAM8.T8 DRAM8.T9 DRAM9.A1 DRAM9.A2 DRAM9.A3 DRAM9.A7 DRAM9.A8 DRAM9.A9 DRAM9.B1 DRAM9.B2 DRAM9.B3 DRAM9.B7 DRAM9.B8 DRAM9.B9 DRAM9.C1 DRAM9.C2 DRAM9.C3 DRAM9.C7 DRAM9.C8 DRAM9.C9 DRAM9.D1 DRAM9.D2 DRAM9.D3 DRAM9.D7 DRAM9.D8 DRAM9.D9 DRAM9.E1 DRAM9.E2 DRAM9.E3 DRAM9.E7 DRAM9.E8 DRAM9.E9 DRAM9.F1 DRAM9.F2 DRAM9.F3 DRAM9.F7 DRAM9.F8 DRAM9.F9 DRAM9.G1 DRAM9.G2 DRAM9.G3 DRAM9.G7 DRAM9.G8 DRAM9.G9 DRAM9.H1 DRAM9.H2 DRAM9.H3 DRAM9.H7 DRAM9.H8 DRAM9.H9 DRAM9.J1 DRAM9.J2 DRAM9.J3 DRAM9.J7 DRAM9.J8 DRAM9.J9 DRAM9.K1 DRAM9.K2 DRAM9.K3 DRAM9.K7 DRAM9.K8 DRAM9.K9 DRAM9.L1 DRAM9.L2 DRAM9.L3 DRAM9.L7 DRAM9.L8 DRAM9.L9 DRAM9.M1 DRAM9.M2 DRAM9.M3 DRAM9.M7 DRAM9.M8 DRAM9.M9 DRAM9.N1 DRAM9.N2 DRAM9.N3 DRAM9.N7 DRAM9.N8 DRAM9.N9 DRAM9.P1 DRAM9.P2 DRAM9.P3 DRAM9.P7 DRAM9.P8 DRAM9.P9 DRAM9.R1 DRAM9.R2 DRAM9.R3 DRAM9.R7 DRAM9.R8 DRAM9.R9 DRAM9.T1 DRAM9.T2 DRAM9.T3 DRAM9.T7 DRAM9.T8 DRAM9.T9 G_LED1.1 G_LED1.2 G_LED2.1 G_LED2.2 G_LED3.1 G_LED3.2 G_LED4.1 G_LED4.2 G_LED5.1 G_LED5.2 H_R1.1 H_R1.2 H_R2.1 H_R2.2 H_R3.1 H_R3.2 H_R4.1 H_R4.2 H_R5.1 H_R5.2 H_R6.1 H_R6.2 H_R7.1 H_R7.2 H_R8.1 H_R8.2 H_R9.1 H_R9.2 H_R10.1 H_R10.2 H_R11.1 H_R11.2 H_R12.1 H_R12.2 H_R13.1 H_R13.2 H_R14.1 H_R14.2 H_R15.1 H_R15.2 H_R16.1 H_R16.2 H_R17.1 H_R17.2 H_R18.1 H_R18.2 H_R19.1 H_R19.2 H_R20.1 H_R20.2 H_R21.1 H_R21.2 H_R22.1 H_R22.2 H_R23.1 H_R23.2 H_R24.1 H_R24.2 H_R25.1 H_R25.2 H_R26.1 H_R26.2 IR_LED1.1 IR_LED1.2 IR_LED2.1 IR_LED2.2 IR_LED3.1 IR_LED3.2 IR_LED4.1 IR_LED4.2 IR_LED5.1 IR_LED5.2 J1.1 J1.2 J1.3 J1.4 J1.5 J1.6 J1.7 J1.8 J1.9 J1.10 J1.11 J1.12 J1.13 J1.14 J1.15 J1.16 J1.17 J1.18 J1.19 J1.20 J1.21 J1.22 J1.23 J1.24 J1.25 J1.26 J1.27 J1.28 J1.29 J1.30 J1.31 J1.32 J1.33 J1.34 J1.35 J1.36 J1.37 J1.38 J1.39 J1.40 J1.41 J1.42 J1.43 J1.44 J1.45 J1.46 J1.47 J1.48 J1.49 J1.50 J1.51 J1.52 J1.53 J1.54 J1.55 J1.56 J1.57 J1.58 J1.59 J1.60 J1.61 J1.62 J1.63 J1.64 J1.65 J1.66 J1.67 J1.68 J1.69 J1.70 J1.71 J1.72 J1.73 J1.74 J1.75 J1.76 J1.77 J1.78 J1.79 J1.80 J1.81 J1.82 J1.83 J1.84 J1.85 J1.86 J1.87 J1.88 J1.89 J1.90 J1.91 J1.92 J1.93 J1.94 J1.95 J1.96 J1.97 J1.98 J1.99 J1.100 J1.101 J1.102 J1.103 J1.104 J1.105 J1.106 J1.107 J1.108 J1.109 J1.110 J1.111 J1.112 J1.113 J1.114 J1.115 J1.116 J1.117 J1.118 J1.119 J1.120 J1.121 J1.122 J1.123 J1.124 J1.125 J1.126 J1.127 J1.128 J1.129 J1.130 J1.131 J1.132 J1.133 J1.134 J1.135 J1.136 J1.137 J1.138 J1.139 J1.140 J1.141 J1.142 J1.143 J1.144 J1.145 J1.146 J1.147 J1.148 J1.149 J1.150 J1.151 J1.152 J1.153 J1.154 J1.155 J1.156 J1.157 J1.158 J1.159 J1.160 J1.161 J1.162 J1.163 J1.164 J1.165 J1.166 J1.167 J1.168 J1.169 J1.170 J1.171 J1.172 J1.173 J1.174 J1.175 J1.176 J1.177 J1.178 J1.179 J1.180 J1.181 J1.182 J1.183 J1.184 J1.185 J1.186 J1.187 J1.188 J1.189 J1.190 J1.191 J1.192 J1.193 J1.194 J1.195 J1.196 J1.197 J1.198 J1.199 J1.200 J1.201 J1.202 J1.203 J1.204 J1.205 J1.206 J1.207 J1.208 J1.209 J1.210 J1.211 J1.212 J1.213 J1.214 J1.215 J1.216 J1.217 J1.218 J1.219 J1.220 J1.221 J1.222 J1.223 J1.224 J1.225 J1.226 J1.227 J1.228 J1.229 J1.230 J1.231 J1.232 J1.233 J1.234 J1.235 J1.236 J1.237 J1.238 J1.239 J1.240 J1.241 J1.242 J1.243 J1.244 J1.245 J1.246 J1.247 J1.248 J1.249 J1.250 J1.251 J1.252 J1.253 J1.254 J1.255 J1.256 J1.257 J1.258 J1.259 J1.260 J1.261 J1.262 J1.263 J1.264 J1.265 J1.266 J1.267 J1.268 J1.269 J1.270 J1.271 J1.272 J1.273 J1.274 J1.275 J1.276 J1.277 J1.278 J1.279 J1.280 J1.281 J1.282 J1.283 J1.284 J1.285 J1.286 J1_3.1 J1_3.2 J1_3.3 J1_3.4 J1_3.5 J1_3.6 J1_3.7 J1_3.8 J1_3.9 P1.1 P1.2 P1.3 P1.4 P1.5 P2.1 P2.2 P2.3 P2.4 P2.5 P3.1 P3.2 P3.3 P3.4 P3.5 P4.1 P4.2 P4.3 P4.4 P4.5 P5.1 P5.2 P5.3 P5.4 P5.5 P6.1 P6.2 P6.3 P6.4 P6.5 P7.1 P7.2 P7.3 P7.4 P7.5 P8.1 P8.2 P8.3 P8.4 P8.5 P9.1 P9.2 P9.3 P9.4 P9.5 P10.1 P10.2 P10.3 P10.4 P10.5 P11.1 P11.2 P11.3 P11.4 P11.5 P12.1 P12.2 P12.3 P12.4 P12.5 P13.1 P13.2 P13.3 P13.4 P13.5 P14.1 P14.2 P14.3 P14.4 P14.5 P15.1 P15.2 P15.3 P15.4 P15.5 P16.1 P16.2 P16.3 P16.4 P16.5 P17.1 P17.2 P17.3 P17.4 P17.5 P18.1 P18.2 P18.3 P18.4 P18.5 P_R1.1 P_R1.2 P_R2.1 P_R2.2 P_R3.1 P_R3.2 P_R4.1 P_R4.2 P_R5.1 P_R5.2 P_R6.1 P_R6.2 P_R7.1 P_R7.2 P_R8.1 P_R8.2 P_R9.1 P_R9.2 P_R10.1 P_R10.2 P_R11.1 P_R11.2 P_R12.1 P_R12.2 P_R13.1 P_R13.2 P_R14.1 P_R14.2 P_R15.1 P_R15.2 P_R16.1 P_R16.2 P_R17.1 P_R17.2 P_R18.1 P_R18.2 P_R19.1 P_R19.2 P_R20.1 P_R20.2 P_R21.1 P_R21.2 P_R22.1 P_R22.2 P_R23.1 P_R23.2 P_R24.1 P_R24.2 P_R25.1 P_R25.2 P_R26.1 P_R26.2 R_LED1.1 R_LED1.2 R_LED2.1 R_LED2.2 R_LED3.1 R_LED3.2 R_LED4.1 R_LED4.2 R_LED5.1 R_LED5.2 RCD.A1 RCD.A2 RCD.A3 RCD.A4 RCD.A5 RCD.A6 RCD.A7 RCD.A8 RCD.A9 RCD.A10 RCD.A11 RCD.A12 RCD.A13 RCD.A14 RCD.A15 RCD.A16 RCD.B1 RCD.B2 RCD.B3 RCD.B4 RCD.B5 RCD.B6 RCD.B7 RCD.B8 RCD.B9 RCD.B10 RCD.B11 RCD.B12 RCD.B13 RCD.B14 RCD.B15 RCD.B16 RCD.C1 RCD.C2 RCD.C3 RCD.C4 RCD.C5 RCD.C6 RCD.C7 RCD.C8 RCD.C9 RCD.C10 RCD.C11 RCD.C12 RCD.C13 RCD.C14 RCD.C15 RCD.C16 RCD.D1 RCD.D2 RCD.D3 RCD.D4 RCD.D5 RCD.D6 RCD.D7 RCD.D8 RCD.D9 RCD.D10 RCD.D11 RCD.D12 RCD.D13 RCD.D14 RCD.D15 RCD.D16 RCD.E1 RCD.E2 RCD.E3 RCD.E4 RCD.E5 RCD.E6 RCD.E7 RCD.E8 RCD.E9 RCD.E10 RCD.E11 RCD.E12 RCD.E13 RCD.E14 RCD.E15 RCD.E16 RCD.F1 RCD.F2 RCD.F3 RCD.F4 RCD.F5 RCD.F6 RCD.F7 RCD.F8 RCD.F9 RCD.F10 RCD.F11 RCD.F12 RCD.F13 RCD.F14 RCD.F15 RCD.F16 RCD.G1 RCD.G2 RCD.G3 RCD.G4 RCD.G5 RCD.G6 RCD.G7 RCD.G8 RCD.G9 RCD.G10 RCD.G11 RCD.G12 RCD.G13 RCD.G14 RCD.G15 RCD.G16 RCD.H1 RCD.H2 RCD.H3 RCD.H4 RCD.H5 RCD.H6 RCD.H7 RCD.H8 RCD.H9 RCD.H10 RCD.H11 RCD.H12 RCD.H13 RCD.H14 RCD.H15 RCD.H16 RCD.J1 RCD.J2 RCD.J3 RCD.J4 RCD.J5 RCD.J6 RCD.J7 RCD.J8 RCD.J9 RCD.J10 RCD.J11 RCD.J12 RCD.J13 RCD.J14 RCD.J15 RCD.J16 RCD.K1 RCD.K2 RCD.K3 RCD.K4 RCD.K5 RCD.K6 RCD.K7 RCD.K8 RCD.K9 RCD.K10 RCD.K11 RCD.K12 RCD.K13 RCD.K14 RCD.K15 RCD.K16 RCD.L1 RCD.L2 RCD.L3 RCD.L4 RCD.L5 RCD.L6 RCD.L7 RCD.L8 RCD.L9 RCD.L10 RCD.L11 RCD.L12 RCD.L13 RCD.L14 RCD.L15 RCD.L16 RCD.M1 RCD.M2 RCD.M3 RCD.M4 RCD.M5 RCD.M6 RCD.M7 RCD.M8 RCD.M9 RCD.M10 RCD.M11 RCD.M12 RCD.M13 RCD.M14 RCD.M15 RCD.M16 RCD.N1 RCD.N2 RCD.N3 RCD.N4 RCD.N5 RCD.N6 RCD.N7 RCD.N8 RCD.N9 RCD.N10 RCD.N11 RCD.N12 RCD.N13 RCD.N14 RCD.N15 RCD.N16 RCD.P1 RCD.P2 RCD.P3 RCD.P4 RCD.P5 RCD.P6 RCD.P7 RCD.P8 RCD.P9 RCD.P10 RCD.P11 RCD.P12 RCD.P13 RCD.P14 RCD.P15 RCD.P16 RCD.R1 RCD.R2 RCD.R3 RCD.R4 RCD.R5 RCD.R6 RCD.R7 RCD.R8 RCD.R9 RCD.R10 RCD.R11 RCD.R12 RCD.R13 RCD.R14 RCD.R15 RCD.R16 RCD.T1 RCD.T2 RCD.T3 RCD.T4 RCD.T5 RCD.T6 RCD.T7 RCD.T8 RCD.T9 RCD.T10 RCD.T11 RCD.T12 RCD.T13 RCD.T14 RCD.T15 RCD.T16 SW1.1 SW1.2 SW1.3 SW1.4 SW1.5 SW1.6 U1.1 U1.2 U1.3 U1.4 U1.5 U1.6 U1.7 U1.8 U2.1 U2.2 U2.3 U2.4 U2.5 U2.6 U3.1 U3.2 U3.3 U3.4 U3.5 U3.6 U3.7 U3.8 U3.9 U3.10 U3.11 U3.12 U4.1 U4.2 U4.3 U4.4 U4.5 U4.6 U4.7 U4.8 U4.9 U4.10 U4.11 U4.12 Y_LED1.1 Y_LED1.2 Y_LED2.1 Y_LED2.2 Y_LED3.1 Y_LED3.2 Y_LED4.1 Y_LED4.2 Y_LED5.1 Y_LED5.2